# KiCad board GateMateA1-EVB_Rev_B.kicad_pcb
title: GateMateA1-EVB; date: 2024-03-22; rev: B; company: OLIMEX LTD.; note: https://www.olimex.com/
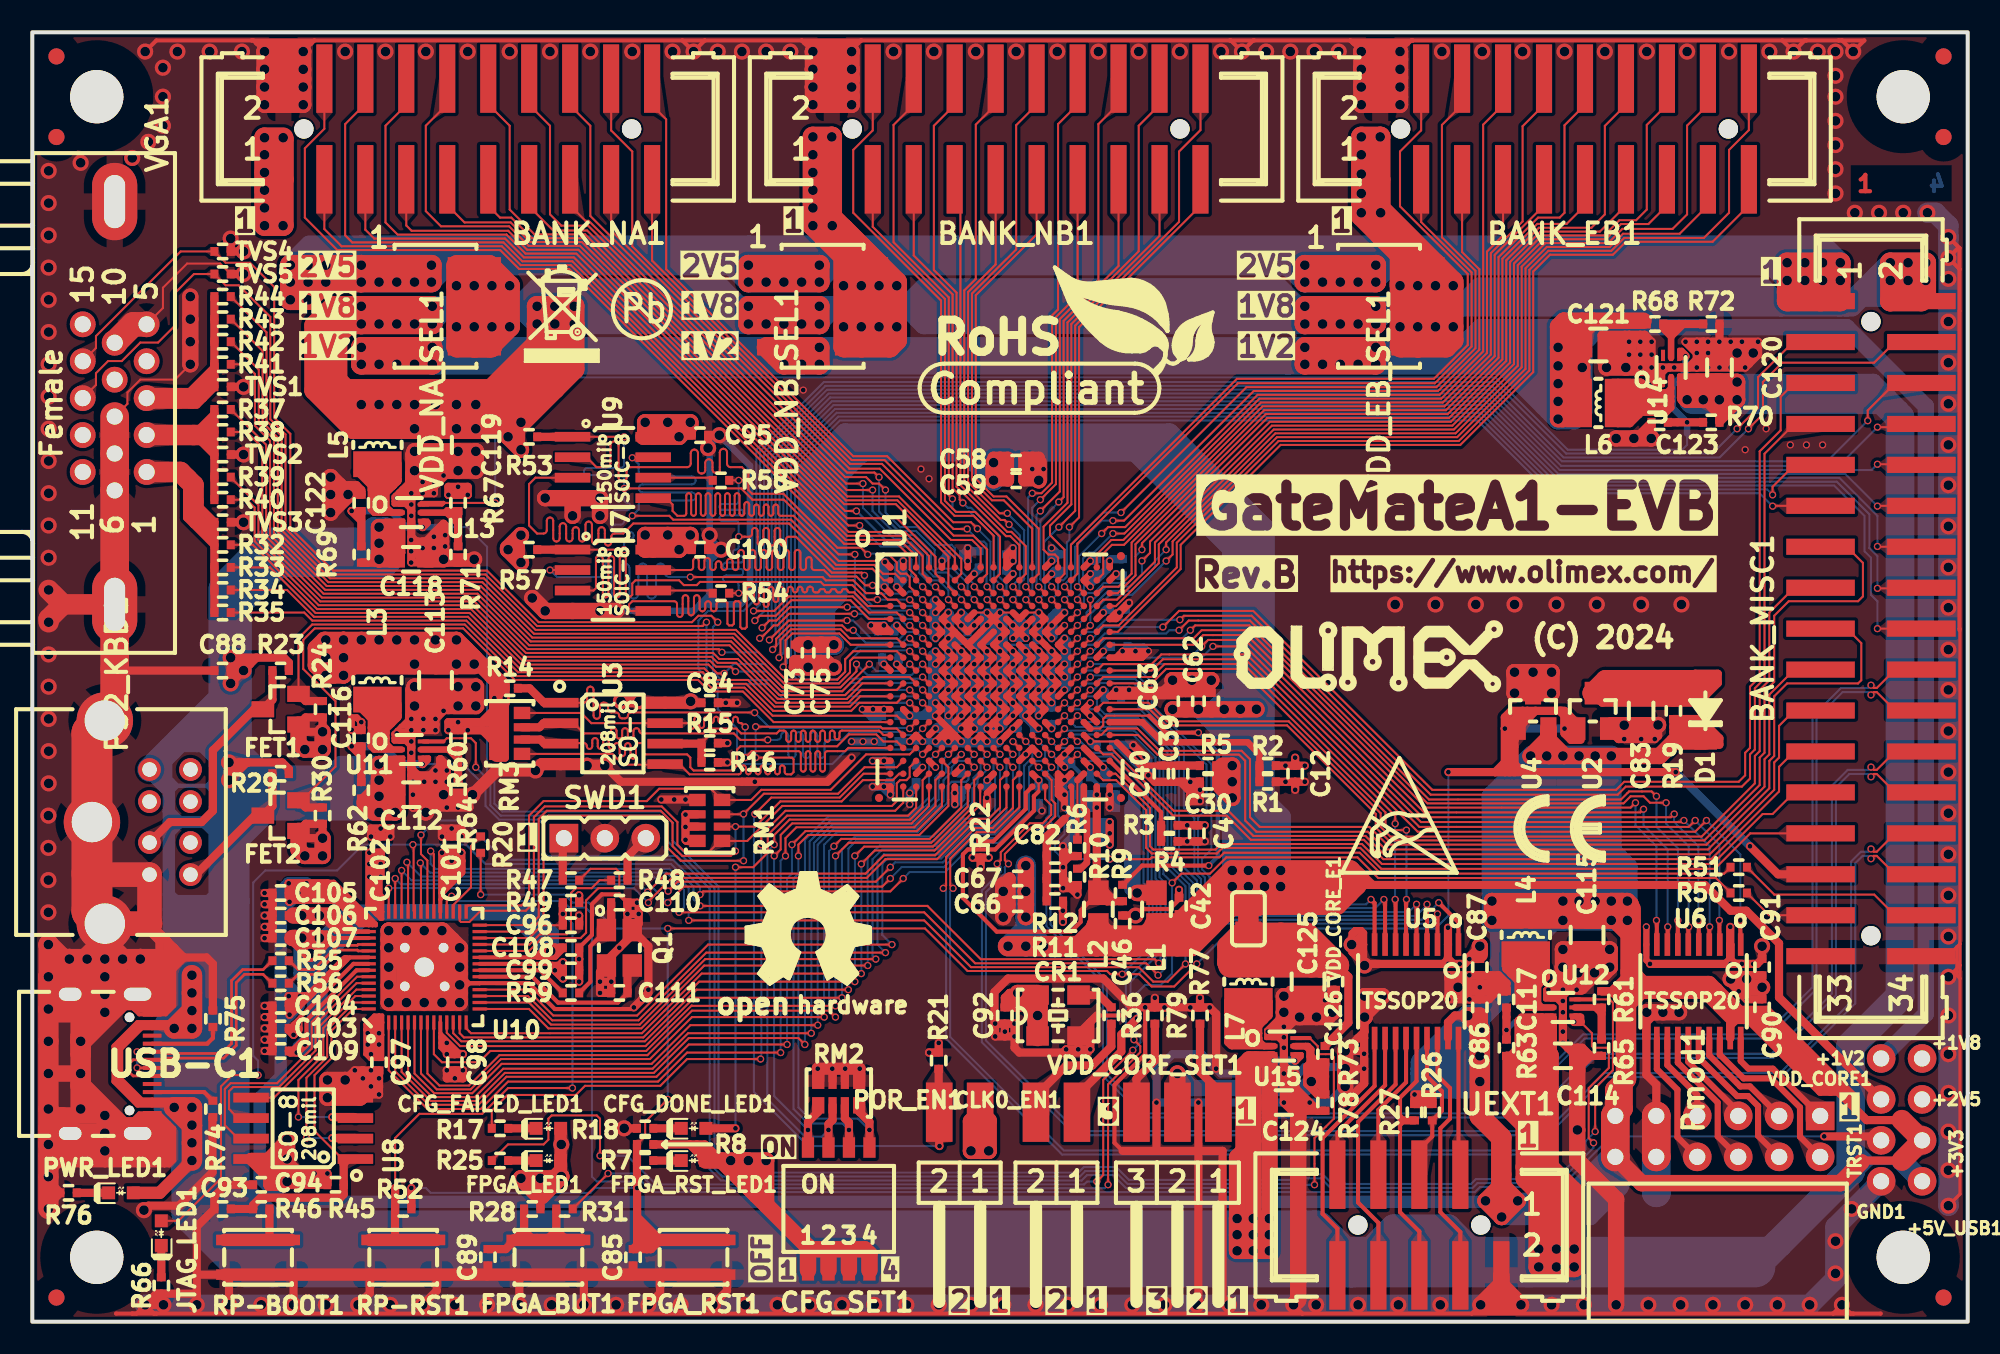
[diagram p0: board, top side]
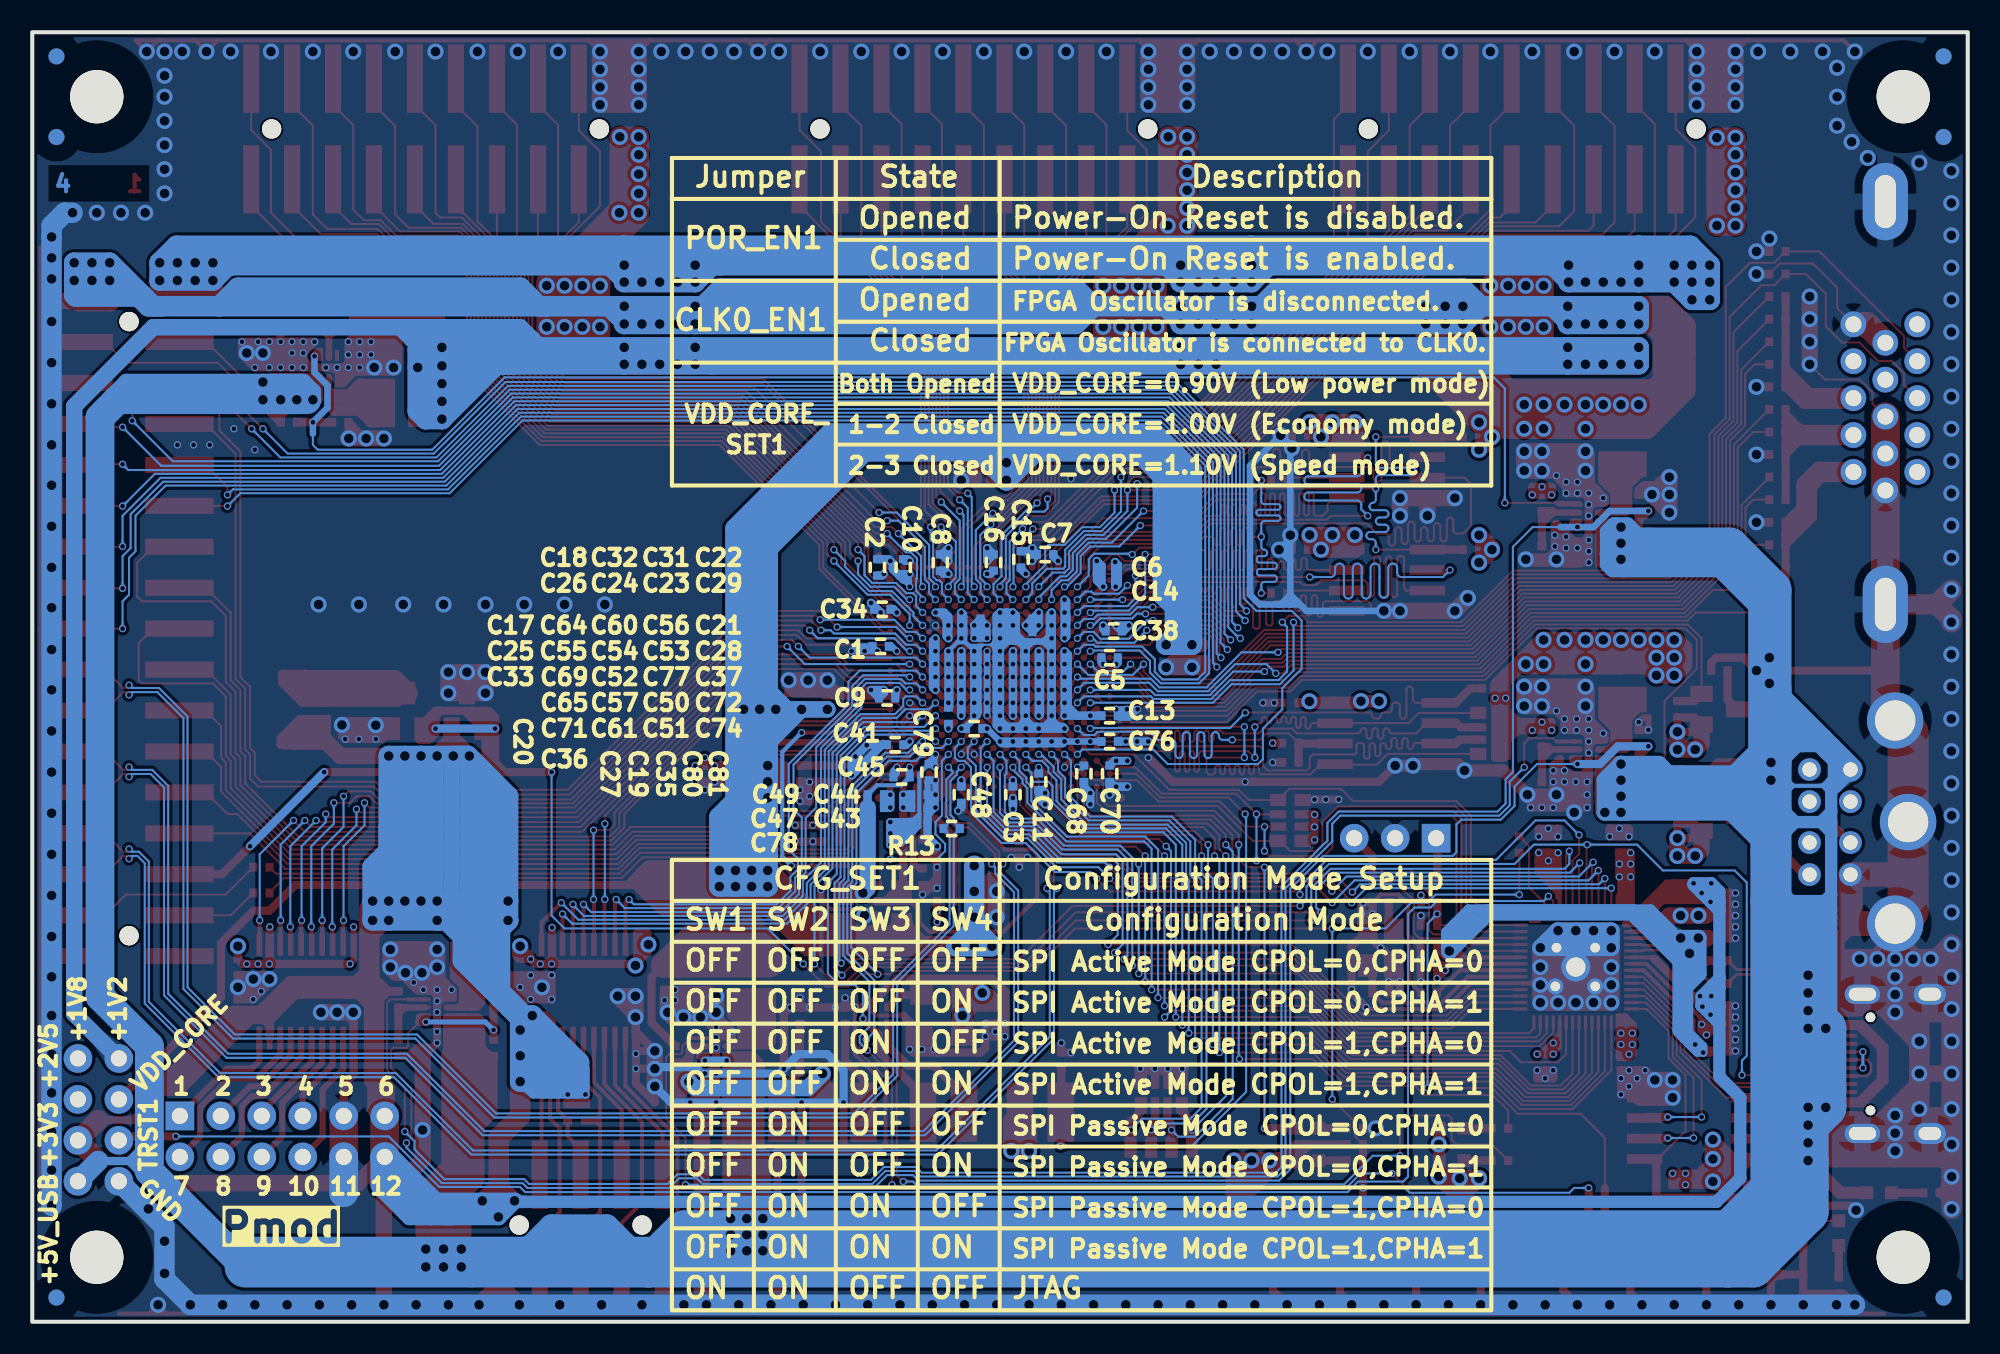
[diagram p1: board, bottom side, seen from below]

Outline 120 x 80 mm; copper layers: Top, In1.Cu (plane), In2.Cu (plane), Bottom. Coordinates in mm from the lower left corner of the outline.
Outline path: rectangle 0,80 120,0
Stack: Top 0.035mm / dielectric 0.127mm 2116 er 4.25 / In1.Cu 0.017mm / dielectric 1.2mm FR4 er 4.25 / In2.Cu 0.017mm / dielectric 0.127mm 2116 er 4.25 / Bottom 0.035mm

## Placement (name value [footprint] x y rotation side)
+1V2  TESTPAD  [TEST_PAD_40x70_Round]  114.63 16.33 180 top
+1V8  TESTPAD  [TEST_PAD_40x70_Round]  117.17 16.33 180 top
+2V5  TESTPAD  [TEST_PAD_40x70_Round]  117.17 13.8 180 top
+3V3  TESTPAD  [TEST_PAD_40x70_Round]  117.17 11.25 270 top
+5V_USB1  TESTPAD  [TEST_PAD_40x70_Round]  117.17 8.72 180 top
BANK_EB1  B-V-20-LF  [GBH-254-SMT-20]  95 74 0 top
BANK_MISC1  B-V-34-LF  [GBH-254-SMT-34]  114 43 270 top
BANK_NA1  B-V-20-LF  [GBH-254-SMT-20]  27 74 0 top
BANK_NB1  B-V-20-LF  [GBH-254-SMT-20]  61 74 0 top
C1  2.2uF/6.3V/20%/X5R/C0402  [C_0402_5MIL_DWS]  67.4 41.9 180 bottom
C2  2.2uF/6.3V/20%/X5R/C0402  [C_0402_5MIL_DWS]  67.6 46.8 90 bottom
C3  2.2uF/6.3V/20%/X5R/C0402  [C_0402_5MIL_DWS]  59.2 32.7 90 bottom
C4  2.2uF/6.3V/20%/X5R/C0402  [C_0402_5MIL_DWS]  72.2 30.3 270 top
C5  2.2uF/6.3V/20%/X5R/C0402  [C_0402_5MIL_DWS]  53.2 41.2 0 bottom
C6  2.2uF/6.3V/20%/X5R/C0402  [C_0402_5MIL_DWS]  53.2 46.8 180 bottom
C7  2.2uF/6.3V/20%/X5R/C0402  [C_0402_5MIL_DWS]  57.2 47.6 180 bottom
C8  2.2uF/6.3V/20%/X5R/C0402  [C_0402_5MIL_DWS]  63.7 47.1 90 bottom
C9  100nF/10V/20%/X5R/C0402  [C_0402_5MIL_DWS]  67 38.7 0 bottom
C10  100nF/10V/20%/X5R/C0402  [C_0402_5MIL_DWS]  66 46.8 270 bottom
C11  100nF/10V/20%/X5R/C0402  [C_0402_5MIL_DWS]  57.6 33.5 270 bottom
C12  100nF/10V/20%/X5R/C0402  [C_0402_5MIL_DWS]  78.3 34 270 top
C13  100nF/10V/20%/X5R/C0402  [C_0402_5MIL_DWS]  53.2 37.6 180 bottom
C14  100nF/10V/20%/X5R/C0402  [C_0402_5MIL_DWS]  53.2 46 180 bottom
C15  100nF/10V/20%/X5R/C0402  [C_0402_5MIL_DWS]  58.7 47.3 90 bottom
C16  100nF/10V/20%/X5R/C0402  [C_0402_5MIL_DWS]  60.4 47.1 270 bottom
C17  1nF/50V/10%/X7R/C0402  [C_0402_5MIL_DWS]  63.65 41.2 180 bottom
C18  1nF/50V/10%/X7R/C0402  [C_0402_5MIL_DWS]  62.8 43.6 0 bottom
C19  1nF/50V/10%/X7R/C0402  [C_0402_5MIL_DWS]  58.8 36.4 90 bottom
C20  1nF/50V/10%/X7R/C0402  [C_0402_5MIL_DWS]  63.2 37.6 270 bottom
C21  1nF/50V/10%/X7R/C0402  [C_0402_5MIL_DWS]  56.3 41.2 0 bottom
C22  1nF/50V/10%/X7R/C0402  [C_0402_5MIL_DWS]  56.4 43.6 180 bottom
C23  1nF/50V/10%/X7R/C0402  [C_0402_5MIL_DWS]  58.5 42.8 0 bottom
C24  1nF/50V/10%/X7R/C0402  [C_0402_5MIL_DWS]  60.7 42.8 0 bottom
C25  1nF/50V/10%/X7R/C0402  [C_0402_5MIL_DWS]  63.65 40.4 180 bottom
C26  1nF/50V/10%/X7R/C0402  [C_0402_5MIL_DWS]  62.8 42.8 0 bottom
C27  1nF/50V/10%/X7R/C0402  [C_0402_5MIL_DWS]  59.6 36.4 90 bottom
C28  1nF/50V/10%/X7R/C0402  [C_0402_5MIL_DWS]  56.3 40.4 0 bottom
C29  1nF/50V/10%/X7R/C0402  [C_0402_5MIL_DWS]  56.4 42.8 180 bottom
C30  100nF/10V/20%/X5R/C0402  [C_0402_5MIL_DWS]  72.9 33.5 180 top
C31  1nF/50V/10%/X7R/C0402  [C_0402_5MIL_DWS]  58.5 43.6 0 bottom
C32  1nF/50V/10%/X7R/C0402  [C_0402_5MIL_DWS]  60.7 43.6 0 bottom
C33  1nF/50V/10%/X7R/C0402  [C_0402_5MIL_DWS]  63.65 39.6 180 bottom
C34  1nF/50V/10%/X7R/C0402  [C_0402_5MIL_DWS]  67.3 44.2 180 bottom
C35  1nF/50V/10%/X7R/C0402  [C_0402_5MIL_DWS]  58 36.4 90 bottom
C36  1nF/50V/10%/X7R/C0402  [C_0402_5MIL_DWS]  61.6 36.8 180 bottom
C37  1nF/50V/10%/X7R/C0402  [C_0402_5MIL_DWS]  56.3 39.6 0 bottom
C38  1nF/50V/10%/X7R/C0402  [C_0402_5MIL_DWS]  52.95 42.85 0 bottom
C39  10uF/6.3V/X5R/20%/C0402  [C_0402_5MIL_DWS]  71.2 34 90 top
C40  10uF/6.3V/X5R/20%/C0402  [C_0402_5MIL_DWS]  70 34 90 top
C41  1nF/50V/10%/X7R/C0402  [C_0402_5MIL_DWS]  66.5 35.8 180 bottom
C42  100nF/10V/20%/X5R/C0402  [C_0402_5MIL_DWS]  71.1 25.8 90 top
C43  2.2uF/6.3V/20%/X5R/C0402  [C_0402_5MIL_DWS]  67.7 31.9 0 bottom
C44  100nF/10V/20%/X5R/C0402  [C_0402_5MIL_DWS]  67.7 32.7 0 bottom
C45  1nF/50V/10%/X7R/C0402  [C_0402_5MIL_DWS]  66.1 33.8 180 bottom
C46  100nF/10V/20%/X5R/C0402  [C_0402_5MIL_DWS]  67.6 24.7 90 top
C47  2.2uF/6.3V/20%/X5R/C0402  [C_0402_5MIL_DWS]  65 31.9 0 bottom
C48  100nF/10V/20%/X5R/C0402  [C_0402_5MIL_DWS]  62.4 32.7 90 bottom
C49  1nF/50V/10%/X7R/C0402  [C_0402_5MIL_DWS]  65 32.7 0 bottom
C50  1nF/50V/10%/X7R/C0402  [C_0402_5MIL_DWS]  58 38.8 180 bottom
C51  1nF/50V/10%/X7R/C0402  [C_0402_5MIL_DWS]  58 38 180 bottom
C52  1nF/50V/10%/X7R/C0402  [C_0402_5MIL_DWS]  59.7 39.6 180 bottom
C53  1nF/50V/10%/X7R/C0402  [C_0402_5MIL_DWS]  58 40.4 180 bottom
C54  1nF/50V/10%/X7R/C0402  [C_0402_5MIL_DWS]  59.7 40.4 180 bottom
C55  1nF/50V/10%/X7R/C0402  [C_0402_5MIL_DWS]  61.9 40.4 0 bottom
C56  1nF/50V/10%/X7R/C0402  [C_0402_5MIL_DWS]  58 41.2 180 bottom
C57  1nF/50V/10%/X7R/C0402  [C_0402_5MIL_DWS]  59.7 38.8 180 bottom
C58  2.2uF/6.3V/20%/X5R/C0402  [C_0402_5MIL_DWS]  61 53.3 180 top
C59  100nF/10V/20%/X5R/C0402  [C_0402_5MIL_DWS]  61 52.2 180 top
C60  1nF/50V/10%/X7R/C0402  [C_0402_5MIL_DWS]  59.7 41.2 180 bottom
C61  1nF/50V/10%/X7R/C0402  [C_0402_5MIL_DWS]  59.7 38 180 bottom
C62  2.2uF/6.3V/20%/X5R/C0402  [C_0402_5MIL_DWS]  73.1 38.5 270 top
C63  100nF/10V/20%/X5R/C0402  [C_0402_5MIL_DWS]  71.5 38.5 270 top
C64  1nF/50V/10%/X7R/C0402  [C_0402_5MIL_DWS]  61.9 41.2 0 bottom
C65  1nF/50V/10%/X7R/C0402  [C_0402_5MIL_DWS]  61.9 38.8 0 bottom
C66  2.2uF/6.3V/20%/X5R/C0402  [C_0402_5MIL_DWS]  61.1 25.9 0 top
C67  100nF/10V/20%/X5R/C0402  [C_0402_5MIL_DWS]  61.1 27.5 0 top
C68  2.2uF/6.3V/20%/X5R/C0402  [C_0402_5MIL_DWS]  54.8 34 270 bottom
C69  1nF/50V/10%/X7R/C0402  [C_0402_5MIL_DWS]  61.9 39.6 0 bottom
C70  100nF/10V/20%/X5R/C0402  [C_0402_5MIL_DWS]  53.2 34 270 bottom
C71  1nF/50V/10%/X7R/C0402  [C_0402_5MIL_DWS]  61.9 38 0 bottom
C72  1nF/50V/10%/X7R/C0402  [C_0402_5MIL_DWS]  56.3 38.8 0 bottom
C73  2.2uF/6.3V/20%/X5R/C0402  [C_0402_5MIL_DWS]  47.3 41.5 90 top
C74  1nF/50V/10%/X7R/C0402  [C_0402_5MIL_DWS]  56.3 38 0 bottom
C75  100nF/10V/20%/X5R/C0402  [C_0402_5MIL_DWS]  48.9 41.5 90 top
C76  1nF/50V/10%/X7R/C0402  [C_0402_5MIL_DWS]  53.2 36 180 bottom
C77  1nF/50V/10%/X7R/C0402  [C_0402_5MIL_DWS]  58 39.6 180 bottom
C78  2.2uF/6.3V/20%/X5R/C0402  [C_0402_5MIL_DWS]  65 31 0 bottom
C79  1nF/50V/10%/X7R/C0402  [C_0402_5MIL_DWS]  64.4 34.1 270 bottom
C80  1nF/50V/10%/X7R/C0402  [C_0402_5MIL_DWS]  57.2 36.4 90 bottom
C81  1nF/50V/10%/X7R/C0402  [C_0402_5MIL_DWS]  56.4 36.4 90 bottom
C82  100nF/10V/20%/X5R/C0402  [C_0402_5MIL_DWS]  63.4 28.9 0 top
C83  22uF/6.3V/20%/X5R/C0603  [C_0603_5MIL_DWS]  99.75 37.9 270 top
C84  NA(100nF/10V/20%/X5R/C0402)  [C_0402_5MIL_DWS]  42 38.4 180 top
C85  100nF/10V/20%/X5R/C0402  [C_0402_5MIL_DWS]  37.25 4 90 top
C86  100nF/10V/20%/X5R/C0402  [C_0402_5MIL_DWS]  89.75 19.5 90 top
C87  100nF/10V/20%/X5R/C0402  [C_0402_5MIL_DWS]  89.75 22 270 top
C88  100nF/10V/20%/X5R/C0402  [C_0402_5MIL_DWS]  11.8 40.4 180 top
C89  100nF/10V/20%/X5R/C0402  [C_0402_5MIL_DWS]  28.25 4 270 top
C90  100nF/10V/20%/X5R/C0402  [C_0402_5MIL_DWS]  107.25 19.5 90 top
C91  100nF/10V/20%/X5R/C0402  [C_0402_5MIL_DWS]  107.25 22 270 top
C92  100nF/10V/20%/X5R/C0402  [C_0402_5MIL_DWS]  60.3 19 90 top
C93  NA/C0402  [C_0402_5MIL_DWS]  11.8 7 0 top
C94  100nF/10V/20%/X5R/C0402  [C_0402_5MIL_DWS]  14.2 8.5 0 top
C95  100nF/10V/20%/X5R/C0402  [C_0402_5MIL_DWS]  41.4 55 180 top
C96  100nF/10V/20%/X5R/C0402  [C_0402_5MIL_DWS]  33.4 24.6 0 top
C97  100nF/10V/20%/X5R/C0402  [C_0402_5MIL_DWS]  21.5 16.1 270 top
C98  100nF/10V/20%/X5R/C0402  [C_0402_5MIL_DWS]  26.2 16.1 270 top
C99  100nF/10V/20%/X5R/C0402  [C_0402_5MIL_DWS]  33.4 21.8 0 top
C100  100nF/10V/20%/X5R/C0402  [C_0402_5MIL_DWS]  41.4 47.9 180 top
C101  100nF/10V/20%/X5R/C0402  [C_0402_5MIL_DWS]  26 29.61 90 top
C102  100nF/10V/20%/X5R/C0402  [C_0402_5MIL_DWS]  21.6 29.61 90 top
C103  100nF/10V/20%/X5R/C0402  [C_0402_5MIL_DWS]  15.4 18.2 180 top
C104  100nF/10V/20%/X5R/C0402  [C_0402_5MIL_DWS]  15.4 19.6 180 top
C105  100nF/10V/20%/X5R/C0402  [C_0402_5MIL_DWS]  15.4 26.6 180 top
C106  2.2uF/6.3V/20%/X5R/C0402  [C_0402_5MIL_DWS]  15.4 25.2 180 top
C107  2.2uF/6.3V/20%/X5R/C0402  [C_0402_5MIL_DWS]  15.4 23.8 180 top
C108  100nF/10V/20%/X5R/C0402  [C_0402_5MIL_DWS]  33.4 23.2 0 top
C109  100nF/10V/20%/X5R/C0402  [C_0402_5MIL_DWS]  15.4 16.8 180 top
C110  18pF/50V/5%/C0G/C0402  [C_0402_5MIL_DWS]  36.4 26 0 top
C111  18pF/50V/5%/C0G/C0402  [C_0402_5MIL_DWS]  36.4 20.4 180 top
C112  22uF/6.3V/20%/X5R/C0603  [C_0603_5MIL_DWS]  23.5 32.7 0 top
C113  47uF/6.3V/20%/X5R/C0805  [C_0805_5MIL_DWS]  25 39.8 270 top
C114  22uF/6.3V/20%/X5R/C0603  [C_0603_5MIL_DWS]  94.9 16.5 0 top
C115  47uF/6.3V/20%/X5R/C0805  [C_0805_5MIL_DWS]  96.4 24 270 top
C116  NA(2.2uF/6.3V/20%/X5R/C0402)  [C_0402_5MIL_DWS]  20.4 36.2 90 top
C117  NA(2.2uF/6.3V/20%/X5R/C0402)  [C_0402_5MIL_DWS]  91.4 20 90 top
C118  22uF/6.3V/20%/X5R/C0603  [C_0603_5MIL_DWS]  23.49 47.3 0 top
C119  47uF/6.3V/20%/X5R/C0805  [C_0805_5MIL_DWS]  25 54.4 270 top
C120  22uF/6.3V/20%/X5R/C0603  [C_0603_5MIL_DWS]  104.61 59.2 90 top
C121  47uF/6.3V/20%/X5R/C0805  [C_0805_5MIL_DWS]  97.1 60.6 0 top
C122  NA(2.2uF/6.3V/20%/X5R/C0402)  [C_0402_5MIL_DWS]  20.4 50.8 90 top
C123  NA(2.2uF/6.3V/20%/X5R/C0402)  [C_0402_5MIL_DWS]  100.9 55.8 180 top
C124  22uF/6.3V/20%/X5R/C0603  [C_0603_5MIL_DWS]  77.6 13.6 0 top
C125  47uF/6.3V/20%/X5R/C0805  [C_0805_5MIL_DWS]  79.1 21.1 270 top
C126  10uF/6.3V/X5R/20%/C0402  [C_0402_5MIL_DWS]  80.8 21.1 90 top
CFG_DONE_LED1  LED/GREEN/0603  [LED_0603_KA]  41 12 0 top
CFG_FAILED_LED1  LED/RED/0603  [LED_0603_KA]  32 12 0 top
CFG_SET1  DSHP04TS-S  [DSHP04TS-S-1.27mm_Half_4_Slide]  50 7 0 top
CLK0_EN1  H-WX-1x2-LF(Closed)  [HN1x2(SMD)_H-WX-1x2-LF]  63.5 13 180 top
CR1  Q10MHz/30ppm/1.62V-3.63V/4P/5x3.2mm(SX5M10.000M20F30TNN_LCSC-C2901522)  [5032-4P_HCX-3S]  63.6 19 0 top
D1  1N5819S4/SOD123  [SOD-123_1C-2A_KA]  103.75 37.9 90 top
FET1  BSS138(SOT-23-3)  [SOT23]  15.4 38 0 top
FET2  BSS138(SOT-23-3)  [SOT23]  15.4 31.4 0 top
FID1  Fiducial  [Fiducial1x3]  1.5 1.5 0 top
FID2  Fiducial  [Fiducial1x3]  1.5 78.5 0 top
FID3  Fiducial  [Fiducial1x3]  118.5 78.5 0 top
FID4  Fiducial  [Fiducial1x3_Paste]  118.5 1.5 0 top
FID5  Fiducial  [Fiducial1x3_Paste]  118.5 73.5 0 top
FID6  Fiducial  [Fiducial1x3_Paste]  1.5 73.5 0 top
FID7  Fiducial  [Fiducial1x3]  1.5 1.5 180 bottom
FID8  Fiducial  [Fiducial1x3]  1.5 78.5 180 bottom
FID9  Fiducial  [Fiducial1x3]  118.5 78.5 180 bottom
FID10  Fiducial  [Fiducial1x3_Paste]  118.5 1.5 180 bottom
FID11  Fiducial  [Fiducial1x3_Paste]  118.5 73.5 180 bottom
FID12  Fiducial  [Fiducial1x3_Paste]  1.5 73.5 180 bottom
FPGA_BUT1  -  [YTS-A016-X]  32 4 0 top
FPGA_LED1  LED/GREEN/0603  [LED_0603_KA]  32 10 0 top
FPGA_RST1  -  [YTS-A016-X]  41 4 0 top
FPGA_RST_LED1  LED/RED/0603  [LED_0603_KA]  41 10 0 top
GND1  TESTPAD  [TEST_PAD_40x70_Round]  114.63 8.72 180 top
JTAG_LED1  LED/YELLOW/0603  [LED_0603_KA]  8 5.5 90 top
JUMP_CAP1  -  [MJ6]  29.67 105 0 top
JUMP_CAP2  -  [MJ6]  42.5 105 0 top
JUMP_CAP3  -  [MJ6]  56.67 105 0 top
JUMP_CAP4  -  [MJ6]  71.17 105 0 top
JUMP_CAP5  -  [MJ6]  86.17 105 0 top
JUMP_CAP6  -  [MJ6]  100 105 0 top
L1  FB0805/600R/2A  [L_0805_5MIL_DWS]  69.7 25.6 90 top
L2  FB0805/600R/2A  [L_0805_5MIL_DWS]  66.1 25.6 90 top
L3  1.0uH/2.5A/DCR=30mR/20%/3.00x3.00x1.50mm/CD32(SWPA3015S1R0MT)  [CD32]  21.4 39.8 90 top
L4  1.0uH/2.5A/DCR=30mR/20%/3.00x3.00x1.50mm/CD32(SWPA3015S1R0MT)  [CD32]  92.6 24 90 top
L5  1.0uH/2.5A/DCR=30mR/20%/3.00x3.00x1.50mm/CD32(SWPA3015S1R0MT)  [CD32]  21.4 54.4 90 top
L6  1.0uH/2.5A/DCR=30mR/20%/3.00x3.00x1.50mm/CD32(SWPA3015S1R0MT)  [CD32]  97.1 57 180 top
L7  1.0uH/2.5A/DCR=30mR/20%/3.00x3.00x1.50mm/CD32(SWPA3015S1R0MT)  [CD32]  75.4 21.1 90 top
Logo_OLIMEX_TB  -  [Logo_OLIMEX_TB]  83 41.3 0 top
MH1  Mounting_Hole_NPTH  [Mounting_Hole_Drill-3.3mm_Clerance-7mm]  4 4 0 top
MH2  Mounting_Hole_NPTH  [Mounting_Hole_Drill-3.3mm_Clerance-7mm]  4 76 0 top
MH3  Mounting_Hole_NPTH  [Mounting_Hole_Drill-3.3mm_Clerance-7mm]  116 76 0 top
MH4  Mounting_Hole_NPTH  [Mounting_Hole_Drill-3.3mm_Clerance-7mm]  116 4 0 top
Pmod1  F-R-2x06-LF  [Digilent_Pmod_12-pin]  104.5 11.5 270 top
POR_EN1  H-WX-1x2-LF(Closed)  [HN1x2(SMD)_H-WX-1x2-LF]  57.5 13 180 top
PS2_KBD1  MDR6_MINI-DIN  [PS2_MDR6_MINI-DIN]  5.5 31 270 top
PWR_LED1  LED/RED/0603  [LED_0603_KA]  5.5 8 0 top
Q1  Q12MHz/20pF/10ppm/4P/3.2x2.5mm  [TSX-3.2x2.5mm_GND(3)]  36.4 23.2 270 top
R1  NA(200R/1%/R0402)  [R_0402_5MIL_DWS]  76.59 33.5 180 top
R2  0R/R0402  [R_0402_5MIL_DWS]  76.59 34.5 180 top
R3  0R/R0402  [R_0402_5MIL_DWS]  70.5 30.8 180 top
R4  NA(200R/1%/R0402)  [R_0402_5MIL_DWS]  70.5 29.8 180 top
R5  4.7R/R0402  [R_0402_5MIL_DWS]  72.9 34.5 180 top
R6  0R/R0402  [R_0402_5MIL_DWS]  64.8 29.4 90 top
R7  2.2k/R0402  [R_0402_5MIL_DWS]  38 10 180 top
R8  10k/R0402  [R_0402_5MIL_DWS]  38 11 0 top
R9  NA(0R/R0402)  [R_0402_5MIL_DWS]  67.6 26.6 90 top
R10  0R/R0402  [R_0402_5MIL_DWS]  64.8 27.6 90 top
R11  NA(R0402)  [R_0402_5MIL_DWS]  63.4 26.1 0 top
R12  NA(R0402)  [R_0402_5MIL_DWS]  63.4 27.5 0 top
R13  NA(R0402)  [R_0402_5MIL_DWS]  63 30.6 180 bottom
R14  NA(10k/R0402)  [R_0402_5MIL_DWS]  29.6 39.3 180 top
R15  NA(R0402)  [R_0402_5MIL_DWS]  42 35.9 0 top
R16  NA(10k/R0402)  [R_0402_5MIL_DWS]  42 34.7 0 top
R17  2.2k/R0402  [R_0402_5MIL_DWS]  29 12 180 top
R18  2.2k/R0402  [R_0402_5MIL_DWS]  38 12 180 top
R19  10k/R0402  [R_0402_5MIL_DWS]  101.75 37.9 90 top
R20  100R/R0402  [R_0402_5MIL_DWS]  27.8 29.6 90 top
R21  NA(10k/R0402)  [R_0402_5MIL_DWS]  56.2 16.2 270 top
R22  200R/1%/R0402  [R_0402_5MIL_DWS]  58.8 29.3 270 top
R23  10k/R0402  [R_0402_5MIL_DWS]  15.4 40.4 180 top
R24  10k/R0402  [R_0402_5MIL_DWS]  18 38 90 top
R25  2.2k/R0402  [R_0402_5MIL_DWS]  29 10 180 top
R26  2.2k/R0402  [R_0402_5MIL_DWS]  86.8 13 270 top
R27  2.2k/R0402  [R_0402_5MIL_DWS]  85.7 13 270 top
R28  10k/R0402  [R_0402_5MIL_DWS]  31 7 0 top
R29  10k/R0402  [R_0402_5MIL_DWS]  15.4 34 180 top
R30  10k/R0402  [R_0402_5MIL_DWS]  18 31.4 90 top
R31  22R/R0402  [R_0402_5MIL_DWS]  33 7 0 top
R32  430R/1%/R0402  [R_0402_5MIL_DWS]  11.8 48.2 0 top
R33  866R/1%/R0402  [R_0402_5MIL_DWS]  11.8 46.8 0 top
R34  2.05k/1%/R0402  [R_0402_5MIL_DWS]  11.8 45.4 0 top
R35  4.42k/1%/R0402  [R_0402_5MIL_DWS]  11.8 44 0 top
R36  100R/R0402  [R_0402_5MIL_DWS]  66.9 19 90 top
R37  430R/1%/R0402  [R_0402_5MIL_DWS]  11.8 56.6 0 top
R38  866R/1%/R0402  [R_0402_5MIL_DWS]  11.8 55.2 0 top
R39  2.05k/1%/R0402  [R_0402_5MIL_DWS]  11.8 52.4 0 top
R40  4.42k/1%/R0402  [R_0402_5MIL_DWS]  11.8 51 0 top
R41  430R/1%/R0402  [R_0402_5MIL_DWS]  11.8 59.4 0 top
R42  866R/1%/R0402  [R_0402_5MIL_DWS]  11.8 60.8 0 top
R43  2.05k/1%/R0402  [R_0402_5MIL_DWS]  11.8 62.2 0 top
R44  4.42k/1%/R0402  [R_0402_5MIL_DWS]  11.8 63.6 0 top
R45  10k/R0402  [R_0402_5MIL_DWS]  18.8 8.5 0 top
R46  100R/R0402  [R_0402_5MIL_DWS]  14.2 7 0 top
R47  NA(22R/R0402)  [R_0402_5MIL_DWS]  33.4 27.39 180 top
R48  NA(22R/R0402)  [R_0402_5MIL_DWS]  36.4 27.39 0 top
R49  NA(10k/R0402)  [R_0402_5MIL_DWS]  33.4 26 180 top
R50  100R/R0402  [R_0402_5MIL_DWS]  105.8 26.6 0 top
R51  100R/R0402  [R_0402_5MIL_DWS]  105.8 28.2 180 top
R52  NA(100R/R0402)  [R_0402_5MIL_DWS]  23 7 0 top
R53  10k/R0402  [R_0402_5MIL_DWS]  30.8 54.9 0 top
R54  22R/R0402  [R_0402_5MIL_DWS]  42.7 45.2 0 top
R55  27R/R0402  [R_0402_5MIL_DWS]  15.4 22.4 0 top
R56  27R/R0402  [R_0402_5MIL_DWS]  15.4 21 0 top
R57  10k/R0402  [R_0402_5MIL_DWS]  30.8 47.9 0 top
R58  22R/R0402  [R_0402_5MIL_DWS]  42.7 52.2 0 top
R59  100R/R0402  [R_0402_5MIL_DWS]  33.4 20.4 180 top
R60  3.32k/1%/R0402  [R_0402_5MIL_DWS]  26.4 36.2 90 top
R61  4.7k/1%/R0402  [R_0402_5MIL_DWS]  97.3 20 90 top
R62  100k/R0402  [R_0402_5MIL_DWS]  20.4 32.97 270 top
R63  100k/R0402  [R_0402_5MIL_DWS]  91.4 17 270 top
R64  1.05k/1%/R0402  [R_0402_5MIL_DWS]  26.4 32.97 270 top
R65  1.05k/1%/R0402  [R_0402_5MIL_DWS]  97.3 17 270 top
R66  2.2k/R0402  [R_0402_5MIL_DWS]  8 2.25 270 top
R67  20k/1%/R0402  [R_0402_5MIL_DWS]  26.4 50.8 90 top
R68  10k/1%/R0402  [R_0402_5MIL_DWS]  100.61 61.9 180 top
R69  100k/R0402  [R_0402_5MIL_DWS]  20.4 47.6 270 top
R70  100k/R0402  [R_0402_5MIL_DWS]  104.1 55.8 0 top
R71  10k/1%/R0402  [R_0402_5MIL_DWS]  26.4 47.6 270 top
R72  10k/1%/R0402  [R_0402_5MIL_DWS]  104.11 61.9 0 top
R73  1k/1%/R0402  [R_0402_5MIL_DWS]  80.15 16.6 90 top
R74  5.1k/1%/R0402  [R_0402_5MIL_DWS]  11.2 13.2 90 top
R75  5.1k/1%/R0402  [R_0402_5MIL_DWS]  11.2 18.8 270 top
R76  2.2k/R0402  [R_0402_5MIL_DWS]  2.25 8 180 top
R77  6.04k/1%/R0402  [R_0402_5MIL_DWS]  72.4 19 270 top
R78  2k/1%/R0402  [R_0402_5MIL_DWS]  80.15 13.6 270 top
R79  3.01k/1%/R0402  [R_0402_5MIL_DWS]  69.6 19 90 top
RM1  RA1206_(4x0603)_4B8_10k  [RA1206_(4X0603)_4B8_xx]  42 31.1 90 top
RM2  RA1206_(4x0603)_4B8_10k  [RA1206_(4X0603)_4B8_xx]  50 14.19 0 top
RM3  NA(RA1206_(4x0603)_4B8_10k)  [RA1206_(4X0603)_4B8_xx]  29.6 36.5 90 top
RP-BOOT1  -  [YTS-A016-X]  14 4 0 top
RP-RST1  -  [YTS-A016-X]  23 4 0 top
Sign_Antistatic  -  [Sign_Antistatic]  81.21 27.86 0 top
Sign_CE  -  [CE_Sign]  95.7 30.6 0 top
Sign_OSHW_8x8  -  [Sign_OSHW_8x8]  48.1 23.9 0 top
Sign_PB-Free  -  [Sign_PB-Free]  38 62.5 0 top
Sign_RecycleBin_1  -  [Sign_RecycleBin_1]  30.5 59.5 0 top
Sign_RoHS_1  -  [Sign_RoHS_1]  56.04 57.03 0 top
SWD1  NA(HN1x3)  [HN1x3]  35.5 30 0 top
TRST1  TESTPAD  [TEST_PAD_40x70_Round]  114.63 11.25 90 top
TVS1  NA(GG0402052R542P)  [D_0402_5MIL_DWS]  11.8 58 180 top
TVS2  NA(GG0402052R542P)  [D_0402_5MIL_DWS]  11.8 53.8 180 top
TVS3  NA(GG0402052R542P)  [D_0402_5MIL_DWS]  11.8 49.6 180 top
TVS4  NA(GG0402052R542P)  [D_0402_5MIL_DWS]  11.8 66.4 180 top
TVS5  NA(GG0402052R542P)  [D_0402_5MIL_DWS]  11.8 65 180 top
U1  CCGM1A1(FBGA-324)  [FBGA-324_P0.8mm_Pad0.4mm_Ball0.45mm_Dim15.00x15.00x1.20mm]  60 40 270 top
U2  HX7027(SOT-23-3)  [SOT-23]  96.75 37.9 270 top
U3  NA(ZD25WQ16CSIGT(SOIC-8_208mils))  [SO-8_208mil]  36 36.5 270 top
U4  NA(MCP120T-300I/TT(SOT-23-3))  [SOT-23]  93.05 37.9 270 top
U5  TXB0108PWR(TSSOP-20)  [TSSOP20_Pitch-0.65mm_6.6x4.5x1.2mm]  85.5 20.5 180 top
U6  TXB0108PWR(TSSOP-20)  [TSSOP20_Pitch-0.65mm_6.6x4.5x1.2mm]  103 20.5 180 top
U7  LY68S3200SLT(SOIC-8_150mil)  [SOIC-8_150mil]  36 46 270 top
U8  ZD25WQ16CSIGT(SOIC-8_208mils)  [SO-8_208mil]  16.8 12 90 top
U9  LY68S3200SLT(SOIC-8_150mil)  [SOIC-8_150mil]  36 53 270 top
U10  RP2040(QFN-56_7x7mm_P0.4mm)  [QFN56_7x7_Pitch_0.4mm]  24.3 22.01 0 top
U11  TPS62A02ADRLR(SOT-563-6)  [SOT-563-6]  23.5 35.5 180 top
U12  TPS62A02ADRLR(SOT-563-6)  [SOT-563-6]  94.9 19.5 180 top
U13  TPS62A02ADRLR(SOT-563-6)  [SOT-563-6]  23.5 50.2 180 top
U14  TPS62A02ADRLR(SOT-563-6)  [SOT-563-6]  101.61 59.2 270 top
U15  TPS62A02ADRLR(SOT-563-6)  [SOT-563-6]  77.6 17.1 180 top
UEXT1  P-B-V-10-LF  [GBH-254-SMT-10]  86 6 180 top
USB-C1  USB-C-16P-F(A40-00119-A52-12)  [USB2.0_TYPE-C(A40-00119-A52-12)_Paste]  3.5 16 180 top
VDD_CORE1  TESTPAD  [TEST_PAD_40x70_Round]  114.63 13.8 180 top
VDD_CORE_E1  Closed  [SJ_Closed]  75.4 25 90 top
VDD_CORE_SET1  H-WX-1x3-LF(1-2:Closed/2-3:Opened)  [HN1x3(SMD)_H-WX-1x3-LF]  71 13 180 top
VDD_EB_SEL1  H-V33X-2x03-LF(1-2:Closed)  [GPH254SMT02x03(H-V33X-2X3-LF)]  83.5 63 270 top
VDD_NA_SEL1  H-V33X-2x03-LF(1-2:Closed)  [GPH254SMT02x03(H-V33X-2X3-LF)]  25 63 270 top
VDD_NB_SEL1  H-V33X-2x03-LF(1-2:Closed)  [GPH254SMT02x03(H-V33X-2X3-LF)]  49 63 270 top
VGA1  HDR15-3.08-14.5T/VGA15/14.5mm  [VGA15-F(HDR15-3.08-14.5T)_DrillSlot]  1.5 57 270 top

## Library data of the parts
+1V2 +1V8 +2V5 +3V3 +5V_USB1 BANK_MISC1 FID1-FID12 GND1 MH1-MH4 R15 R21 R46 R50-R52 R74 R75 SWD1 TRST1 VDD_CORE1 = -: Sim.Enable: 0
C83 C85 C88 C93 C110-C115 C118-C121 C124 C125 CFG_DONE_LED1 CFG_FAILED_LED1 FPGA_LED1 FPGA_RST_LED1 JTAG_LED1 L3-L7 PWR_LED1 R23 R24 R26 R27 R29 R30 R53 R54 R57 R58 UEXT1 = -: Fieldname 1: Value 1; Fieldname2: Value2; Fieldname3: Value3
C84 = -: Value 2M: 100nF/10V/20%/X5R/C0402
CLK0_EN1 POR_EN1 VDD_CORE_SET1 = -: Description: CviLux - CH31 Series 2.54mm(.100") Single Row Pin Headers; Note: PB-Free; Sim.Enable: 0
JUMP_CAP1-JUMP_CAP6 = -: Description: CviLux - CS01 Series 2.54mm(.100") Dual Row Multiple Shunts; Note: PB-Free; Sim.Enable: 0
Pmod1 = -: Description: 2.54mm 3A 12P Right-Angle 2x6P side 8.5mm Square Holes Push-Pull,P=2.54mm Female Headers ROHS; Note:: PB-Free
R5 R7 R8 R11-R13 R17-R20 R22 R25 R28 R31 R36 R45 R47-R49 R55 R56 R59-R73 R76-R79 = -: Fieldname 1: Value 1; Fieldname2: Value2; Fieldname3: Value3; Sim.Enable: 0
R14 R16 = -: Sim.Enable: 0; Value 2M: 10k/R0402
RM3 = -: Value 2M: RA1206_(4x0603)_4B8_10k
TVS1-TVS5 = -: Description: GiGuard series of ESD Suppression Diodes, Bi-directional Leadless Transient Voltage Suppressor Diodes Provide ESD Protection for High Speed Communication and Data Lines
U1 = -: Description: Cologne Chip GateMate FPGA, FBGA-324; Note: PB-Free
U3 = -: Value 2M: ZD25WQ16CSIGT(SOIC-8_208mils)
U7 U9 = -: Note: PB-Free
U10 = -: Description: RP2040 is the debut microcontroller from Raspberry Pi. Dual ARM Cortex-M0+ @ 133MHz
U11 U13 = -: Description: 2-A High-Efficiency Synchronous Buck Converters in a SOT563 Package; Note: PB-Free; Field6: PB-Free
U12 U14 U15 = -: Description: 2-A High-Efficiency Synchronous Buck Converters in a SOT563 Package; Note: PB-Free; Field5: PB-Free
